# Altium PCB MB1936.PcbDoc (part 6 of 13) (continued)
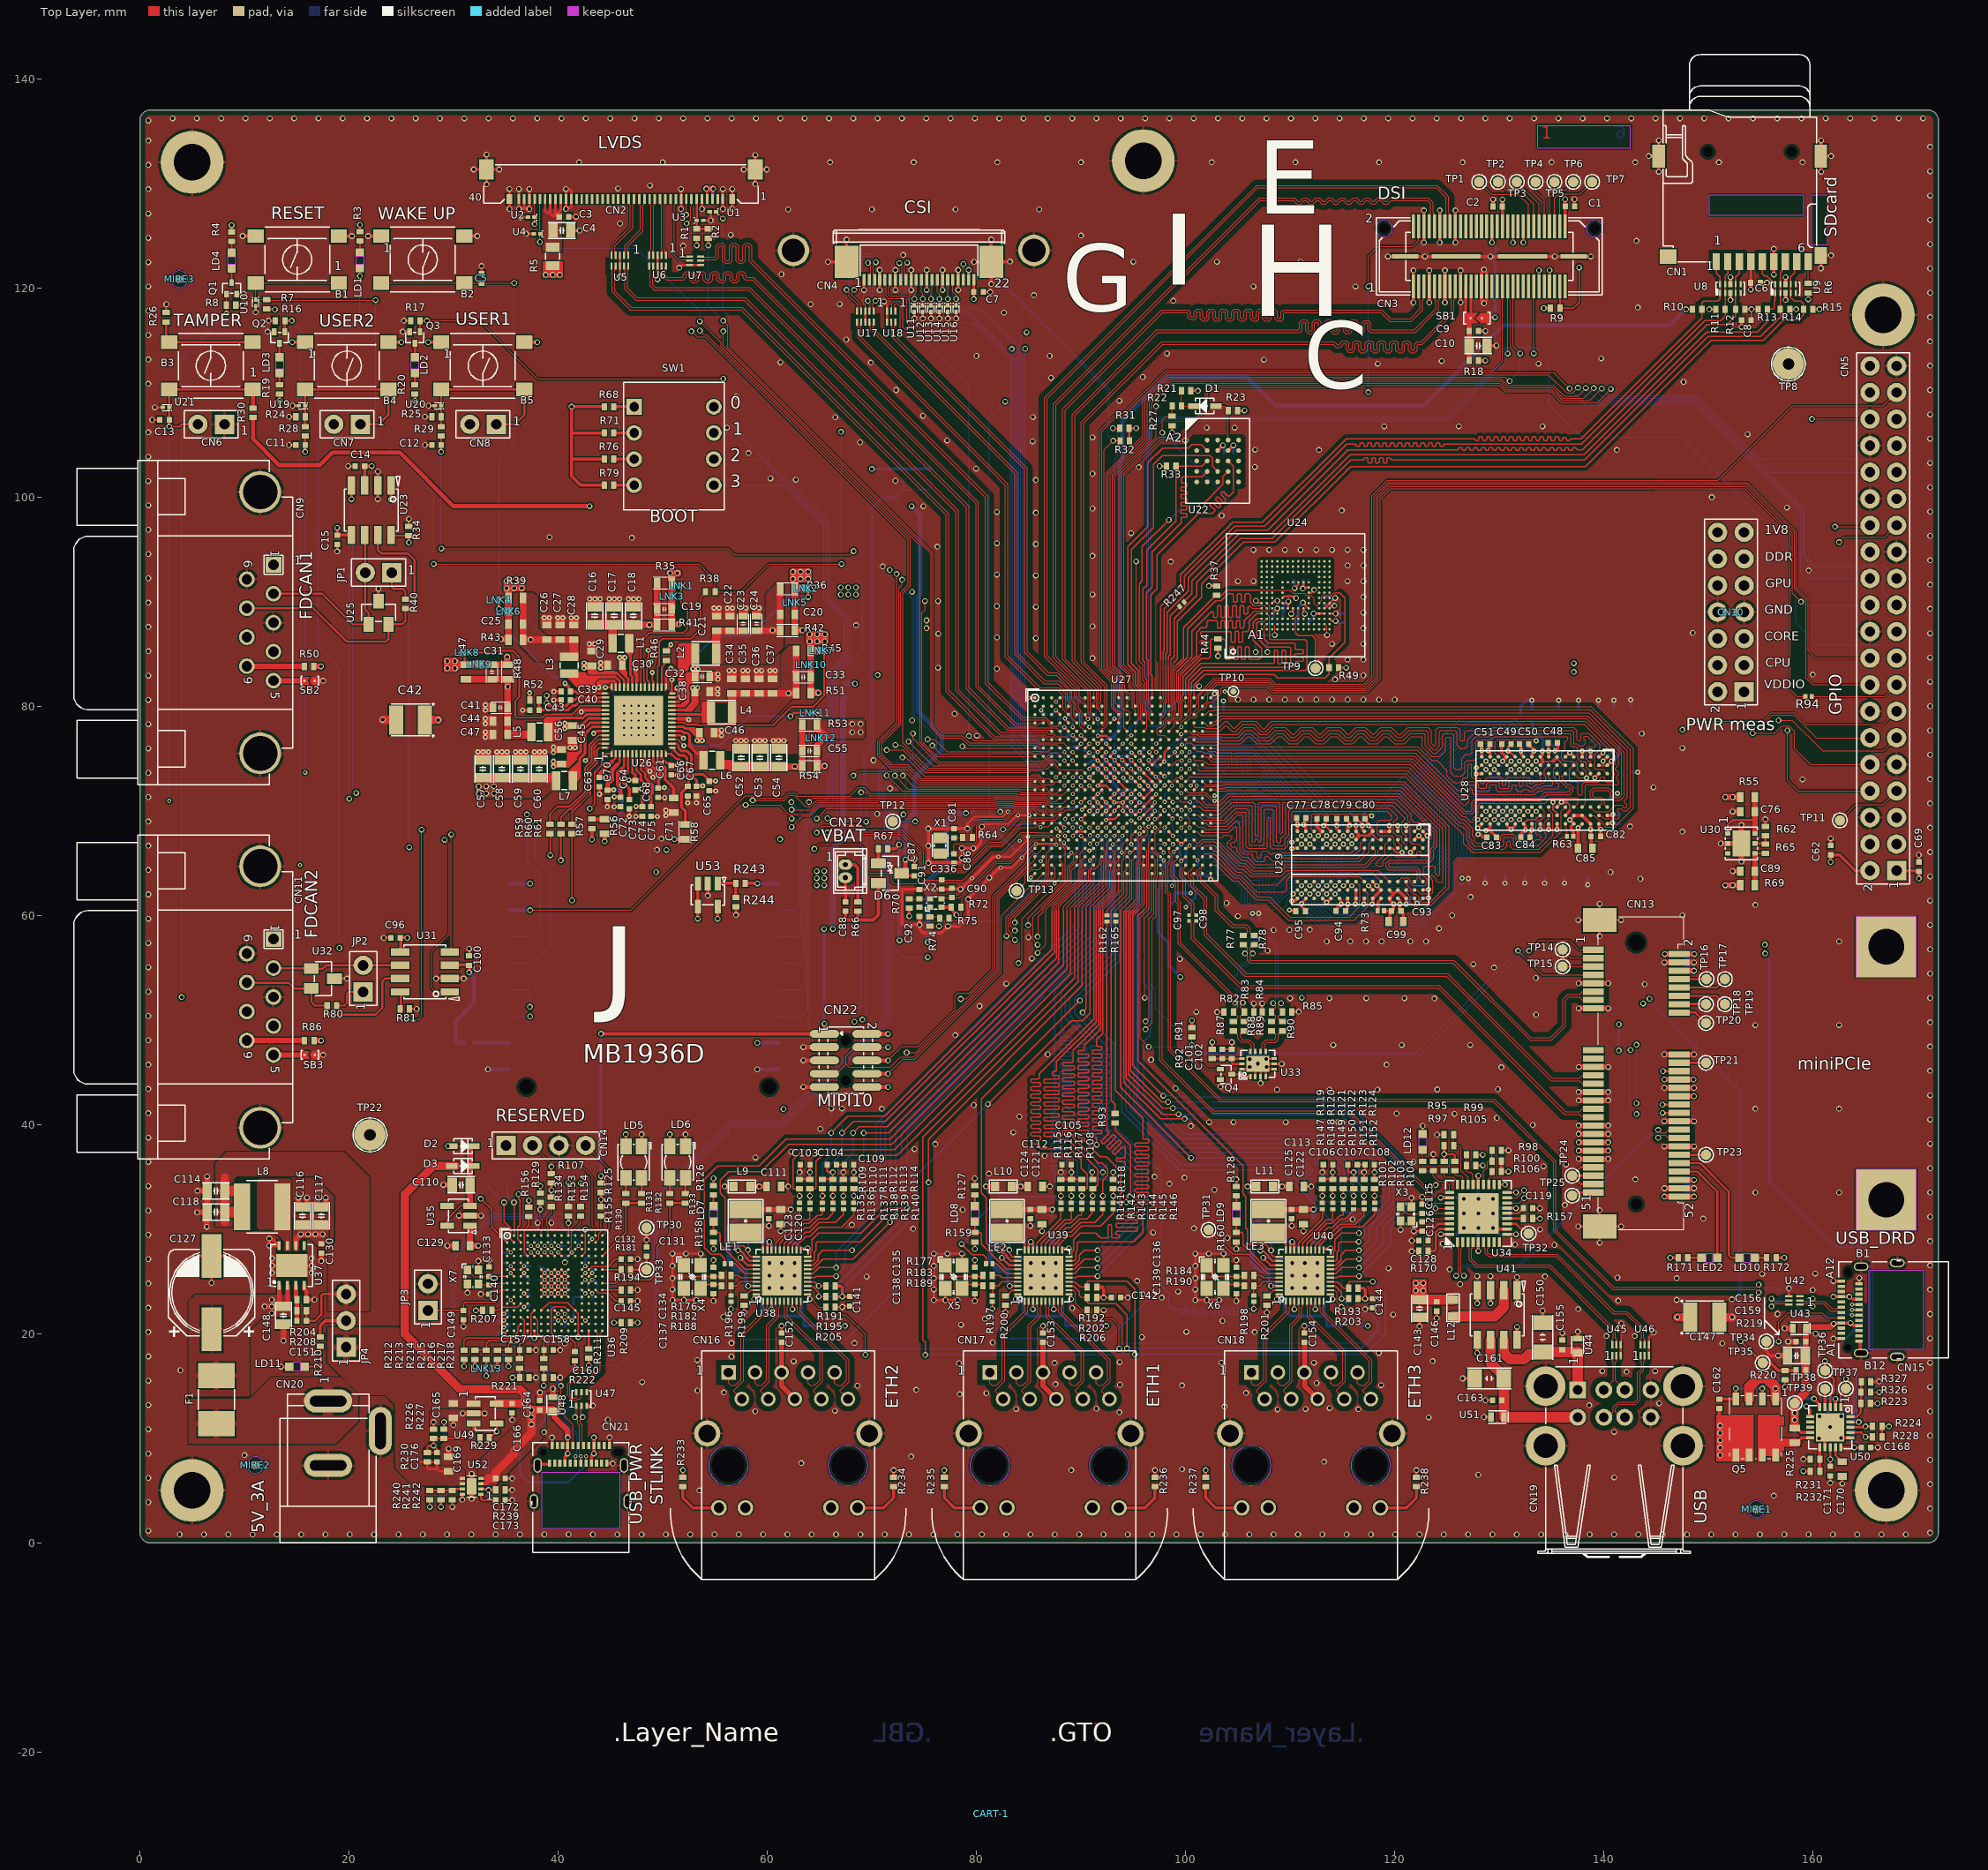
[diagram p0: Top Layer view]
## Nets (pads, with @x,y where several pads share a name; then routed paths per layer and width w, separated by ;. In a path a pad name is that pad's centre, name@x,y a point inside that pad or via, vN(x,y) a via of type N, cw(c..) or ccw(c..) an arc to the next point about the centre after c; other vN are vias at no path point) (continued)
eMMC.SDMMC2_D5: U24.B4 U27.D18 | length 25.1
  Top Layer w0.09: U27.D18@99.2,78.4 99.562,78.4 99.872,78.71 99.948,78.71 100.49,79.252 100.51,79.272 100.51,81.16 100.55,81.2 ; U24.B4@107.775,88.85 108.025,88.6 108.025,87.75 108.025,87.15
  Top Layer w0.11: 100.55,81.2 100.55,82.275 101.684,83.409 106.072,83.409 111.428,83.409 111.596,83.577 111.596,86.171 111.422,86.345 108.142,86.345 108.025,86.462 108.025,87.15
eMMC.SDMMC2_D6: U24.B5 U27.E16 | length 23.9
  Top Layer w0.09: U27.E16@97.6,77.6 98.09,78.09 98.09,78.375 98.095,78.38 98.095,78.526 98.274,78.705 98.563,78.705 98.895,79.037 98.895,79.345 99.045,79.495 99.045,80.305 98.965,80.385 98.965,83.463 99.385,83.883 ; 106.499,89.612 106.803,89.612 106.815,89.6 107.525,89.6 U24.B5@107.775,89.35
  Top Layer w0.11: 99.385,83.883 99.977,84.475 100.173,84.671 100.173,87.357 102.876,90.06 103.393,90.06 104.072,90.739 104.491,90.739 104.582,90.648 104.582,90.022 104.673,89.931 104.855,89.931 104.946,90.022 104.946,90.659 105.037,90.75 105.219,90.75 105.31,90.659 105.31,90.022 105.401,89.931 105.583,89.931 105.674,90.022 105.674,90.648 105.765,90.739 106.071,90.739 106.179,90.63 106.195,90.615 106.195,89.916 106.499,89.612
eMMC.SDMMC2_D7: U24.B6 U27.D17 | length 24
  Top Layer w0.09: U27.D17@98.4,78.4 98.44,78.44 98.552,78.44 98.997,78.885 99.431,78.885 99.515,78.969 99.515,80.345 99.335,80.525 99.335,83.11 100.7,84.475 ; 106.195,88.716 106.579,89.1 107.879,89.1 108.025,89.246 108.025,89.6 U24.B6@107.775,89.85
  Top Layer w0.11: 100.7,84.475 101.049,84.824 101.049,87.051 101.524,87.526 101.95,87.525 102.049,87.624 102.049,88.051 102.171,88.172 102.52,88.172 102.939,88.172 103.03,88.081 103.03,87.56 103.121,87.469 103.303,87.469 103.394,87.56 103.394,88.107 103.485,88.198 103.667,88.198 103.758,88.107 103.758,87.56 103.849,87.469 104.031,87.469 104.122,87.56 104.122,88.107 104.213,88.198 104.395,88.198 104.486,88.107 104.486,87.56 104.577,87.469 104.759,87.469 104.85,87.56 104.85,88.107 104.941,88.198 105.123,88.198 105.214,88.107 105.214,87.56 105.305,87.469 105.487,87.469 105.578,87.56 105.578,88.099 105.726,88.247 106.195,88.716
ETH1.CLK: R197.1 R198.1 U27.W10 | length 88.4
  Top Layer w0.09: 90.484,60.475 90.484,60.799 92.505,62.82 92.505,64.922 92.678,65.095 92.969,65.095 93.12,65.247 93.12,66.08 U27.W10@92.8,66.4
  Top Layer w0.11: v1(81.525,22.375) R197.1@81.525,23.05 ; v1(90.15,50.7) 90.484,51.034 90.484,60.475 ; v1(106.525,22.375) R198.1@106.525,23.05
  Bottom Layer w0.11: v1(81.525,22.375) 81.525,20.775 82.775,19.525 92.7,19.525 97.704,24.529 97.704,24.558 ; v1(90.15,50.7) 93.15,47.7 93.15,39.9 97.704,35.346 97.704,24.558 ; v1(106.525,22.375) 105.95,22.375 105.814,22.375 105.723,22.284 105.723,21.889 105.632,21.798 105.45,21.798 105.359,21.889 105.359,22.366 105.268,22.457 105.086,22.457 104.995,22.366 104.995,21.889 104.904,21.798 104.722,21.798 104.631,21.889 104.631,22.366 104.54,22.457 104.358,22.457 104.267,22.366 104.267,21.889 104.176,21.798 103.994,21.798 103.903,21.889 103.903,22.366 103.812,22.457 103.63,22.457 103.539,22.366 103.539,21.889 103.448,21.798 103.266,21.798 103.175,21.889 103.175,22.366 103.084,22.457 102.902,22.457 102.811,22.366 102.811,21.889 102.72,21.798 102.538,21.798 102.447,21.889 102.447,22.366 102.356,22.457 102.174,22.457 102.083,22.366 102.083,21.889 101.992,21.798 101.81,21.798 101.719,21.889 101.719,22.366 101.628,22.457 101.446,22.457 101.355,22.366 101.355,21.889 101.264,21.798 101.082,21.798 100.991,21.889 100.991,22.366 100.9,22.457 100.718,22.457 100.627,22.366 100.627,21.889 100.536,21.798 100.354,21.798 100.263,21.889 100.263,22.366 100.172,22.457 99.99,22.457 99.899,22.366 99.899,21.889 99.808,21.798 99.626,21.798 99.535,21.889 99.535,22.284 99.444,22.375 99.025,22.375 98.7,22.375 98.406,22.669 98.406,23.856 97.704,24.558
ETH1.CLK125: R93.1 U27.AB12 | length 23.7
  Top Layer w0.09: 92.9,60.475 94.4,61.975 U27.AB12@94.4,64
  Top Layer w0.11: 92.9,60.475 92.9,43.15 92.9,42.275 93.25,41.925 R93.1@93.25,41.05
ETH1.GTX_CLK: R162.1 U27.AA12 | length 5.6
  Top Layer w0.09: 92.475,60.475 94.105,62.105 94.105,64.122 94.4,64.417 U27.AA12@94.4,64.8
  Top Layer w0.11: R162.1@92.475,60 92.475,60.475
ETH1.MDC: R202.1 R203.1 U27.V12 U39.13 U40.13 | length 101.5
  Top Layer w0.09: v2(93.898,66.003) 93.93,66.035 93.93,66.75 94.38,67.2 U27.V12@94.4,67.2
  Top Layer w0.11: U39.13@88.85,24.55 89.312,24.55 89.85,24.012 89.85,23.675 90.075,23.45 R202.1@90.595,23.45 90.595,23.005 90.75,22.85 93.325,22.85 94.405,21.77 v1(94.405,18.585) ; U40.13@113.85,24.55 114.312,24.55 114.92,23.942 v1(114.92,23.35) R203.1@115.595,23.35
  Bottom Layer w0.11: v2(93.898,66.003) 93.898,60.475 93.898,41.202 99.435,35.665 109.081,35.665 114.92,29.826 v1(114.92,23.35) 116.35,21.92 117.652,21.92 118.51,21.062 118.51,20.288 116.807,18.585 v1(94.405,18.585)
ETH1.MDINT: R316.1 U27.U12 U39.31 | length 49.9
  Top Layer w0.09: v2(93.95,67.6) 94.35,68 U27.U12@94.4,68
  Top Layer w0.11: U39.31@83.95,27.35 83.45,27.35 83.176,27.624 83.176,27.974 82.737,28.413 81.169,28.413 80.955,28.627 80.955,32.975 80.485,33.445 80.485,42.435 v1(89.9,51.85)
  Bottom Layer w0.11: v1(83.15,28) R316.1@83.15,28.725 ; v1(89.9,51.85) 93.655,55.605 93.655,65.666 93.543,65.779 93.543,66.15 93.95,66.557 v2(93.95,67.6)
ETH1.MDIO: R192.1 R193.1 U27.V10 U39.14 U40.14 | length 125.4
  Top Layer w0.09: 89.73,60.475 89.73,60.789 92.145,63.204 92.145,65.071 92.505,65.431 92.505,65.722 92.505,66.905 U27.V10@92.8,67.2
  Top Layer w0.11: v1(75.1,17.954) 75.1,19.175 74.875,19.4 74.875,38.775 89.73,53.63 89.73,60.475 ; U39.14@88.85,24.95 89.42,24.95 89.92,24.45 R192.1@90.595,24.45 ; R192.1@90.595,24.55 90.595,24.926 90.674,25.005 94.39,25.005 95.15,24.245 v1(95.15,18) ; U40.14@113.85,24.95 114.52,24.95 115.12,24.35 R193.1@115.595,24.35 115.595,24.845 115.725,24.975 v1(117.9,24.975)
  Bottom Layer w0.11: v1(75.1,17.954) 75.123,17.977 95.127,17.977 v1(95.15,18) 117.125,18 119.125,20 119.125,23.75 v1(117.9,24.975)
ETH1.NRST: R206.1 U27.M1 U39.12 U40.12 | length 164.9
  Top Layer w0.09: 84.174,72.075 84.249,72
  Top Layer w0.1: v1(72.201,73.35) 73.476,72.075 84.174,72.075 ; 84.249,72 U27.M1@85.6,72 ; U39.12@88.85,24.15 89.275,24.15 89.48,23.945 89.48,22.89 90.12,22.25 R206.1@90.595,22.25 90.595,21.63 90.775,21.45 92.95,21.45 93.655,20.745 v1(93.655,18.575) ; U40.12@113.85,24.15 114.275,24.15 114.48,23.945 114.48,22.99 v1(114.92,22.55)
  Bottom Layer w0.1: v1(72.201,73.35) 71.191,72.341 71.191,71.157 71.462,70.887 71.87,70.479 71.87,50.046 61.599,39.775 56.722,39.775 49.625,32.678 49.625,22.597 51.594,20.628 53.647,18.575 v1(93.655,18.575) 94.18,19.1 117.025,19.1 118.3,20.375 118.3,20.975 117.565,21.71 115.76,21.71 v1(114.92,22.55)
ETH1.RX_CLK: R115.1 R141.1 R302.2 U27.U10 | length 58.4
  Top Layer w0.1: v2(92.4,67.6) U27.U10@92.8,68
  Top Layer w0.11: R141.1@88.075,32.5 v1(88.075,33.175) R115.1@88.075,33.85
  Bottom Layer w0.11: v1(88.075,33.175) R302.2@88.075,33.85 87.614,33.85 87.55,33.914 87.55,34.3 87.5,34.35 87.5,35.57 87.5,35.625 87.409,35.716 87.234,35.716 87.143,35.807 87.143,35.989 87.234,36.08 88.514,36.08 88.605,36.171 88.605,36.353 88.514,36.444 87.234,36.444 87.143,36.535 87.143,36.717 87.234,36.808 88.514,36.808 88.605,36.899 88.605,37.081 88.514,37.172 87.234,37.172 87.143,37.263 87.143,37.445 87.234,37.536 88.514,37.536 88.605,37.627 88.605,37.809 88.514,37.9 87.234,37.9 87.143,37.991 87.143,38.173 87.234,38.264 88.514,38.264 88.605,38.355 88.605,38.537 88.514,38.628 87.234,38.628 87.143,38.719 87.143,38.901 87.234,38.992 88.514,38.992 88.605,39.083 88.605,39.265 88.514,39.356 87.234,39.356 87.143,39.447 87.143,39.629 87.234,39.72 88.514,39.72 88.605,39.811 88.605,39.993 88.514,40.084 87.234,40.084 87.143,40.175 87.143,40.357 87.234,40.448 88.514,40.448 88.605,40.539 88.605,40.721 88.514,40.812 87.234,40.812 87.143,40.903 87.143,41.085 87.234,41.176 87.409,41.176 87.5,41.267 87.5,41.5 87.5,52.725 92.08,57.305 92.08,64.223 92.4,64.542 v2(92.4,67.6)
ETH1.RX_CTL: R116.1 R142.1 R301.2 U27.W12 | length 56.3
  Top Layer w0.09: 92.059,60.475 92.059,60.559 93.925,62.425 93.925,65.173 94.105,65.353 94.105,65.722 94.25,65.868 94.25,66.239 94.4,66.389 U27.W12@94.4,66.4
  Top Layer w0.11: R142.1@89.075,32.5 R116.1@89.075,33.85 ; v1(91.5,38.075) 91.5,38.591 91.5,38.646 91.409,38.737 91.201,38.737 91.11,38.828 91.11,39.01 91.201,39.101 91.918,39.101 92.009,39.192 92.009,39.374 91.918,39.465 91.201,39.465 91.11,39.556 91.11,39.738 91.201,39.829 91.918,39.829 92.009,39.92 92.009,40.102 91.918,40.193 91.201,40.193 91.11,40.284 91.11,40.466 91.201,40.557 91.918,40.557 92.009,40.648 92.009,40.83 91.918,40.921 91.201,40.921 91.11,41.012 91.11,41.194 91.201,41.285 91.918,41.285 92.009,41.376 92.009,41.558 91.918,41.649 91.201,41.649 91.11,41.74 91.11,41.922 91.201,42.013 91.918,42.013 92.009,42.104 92.009,42.286 91.918,42.377 91.201,42.377 91.11,42.468 91.11,42.65 91.201,42.741 91.918,42.741 92.009,42.832 92.009,43.014 91.918,43.105 91.201,43.105 91.11,43.196 91.11,43.378 91.201,43.469 91.918,43.469 92.009,43.56 92.009,43.742 91.918,43.833 91.201,43.833 91.11,43.924 91.11,44.106 91.201,44.197 91.918,44.197 92.009,44.288 92.009,44.47 91.918,44.561 91.201,44.561 91.11,44.652 91.11,44.834 91.201,44.925 91.918,44.925 92.009,45.016 92.009,45.198 91.918,45.289 91.201,45.289 91.11,45.38 91.11,45.562 91.201,45.653 91.918,45.653 92.009,45.744 92.009,45.926 91.918,46.017 91.201,46.017 91.11,46.108 91.11,46.29 91.201,46.381 91.918,46.381 92.009,46.472 92.009,46.654 91.918,46.745 91.201,46.745 91.11,46.836 91.11,47.018 91.201,47.109 91.918,47.109 92.009,47.2 92.009,47.382 91.918,47.473 91.591,47.473 91.5,47.564 91.5,47.7 91.5,48.125 92.059,48.684 92.059,60.475
  Bottom Layer w0.11: v1(89.075,33.175) R301.2@89.075,33.85 89.561,33.85 89.625,33.914 89.625,36.7 91,38.075 v1(91.5,38.075)
ETH1.RXD0: R117.1 R143.1 R296.2 U27.W11 | length 56.3
  Top Layer w0.09: 91.219,60.475 91.219,60.751 92.945,62.477 92.945,64.271 93.125,64.451 93.125,64.997 93.3,65.172 93.3,66.1 U27.W11@93.6,66.4
  Top Layer w0.11: R143.1@90.075,32.5 v1(90.075,33.175) R117.1@90.075,33.85 90.536,33.85 90.6,33.914 90.6,35.225 90,35.825 90,36.65 88.975,37.675 86.15,37.675 85.987,37.838 85.987,38.014 85.987,38.069 85.897,38.16 85.308,38.16 85.217,38.251 85.217,38.433 85.308,38.524 86.056,38.524 86.147,38.615 86.147,38.797 86.056,38.888 85.308,38.888 85.217,38.979 85.217,39.161 85.308,39.252 86.056,39.252 86.147,39.343 86.147,39.525 86.056,39.616 85.308,39.616 85.217,39.707 85.217,39.889 85.308,39.98 86.056,39.98 86.147,40.071 86.147,40.253 86.056,40.344 85.308,40.344 85.217,40.435 85.217,40.617 85.308,40.708 86.056,40.708 86.147,40.799 86.147,40.981 86.056,41.072 85.308,41.072 85.217,41.163 85.217,41.345 85.308,41.436 86.056,41.436 86.147,41.527 86.147,41.709 86.056,41.8 85.308,41.8 85.217,41.891 85.217,42.073 85.308,42.164 86.056,42.164 86.147,42.255 86.147,42.437 86.056,42.528 85.308,42.528 85.217,42.619 85.217,42.801 85.308,42.892 86.056,42.892 86.147,42.983 86.147,43.165 86.056,43.256 85.308,43.256 85.217,43.347 85.217,43.529 85.308,43.62 86.056,43.62 86.147,43.711 86.147,43.893 86.056,43.984 85.308,43.984 85.217,44.075 85.217,44.257 85.308,44.348 85.897,44.348 85.987,44.439 85.987,44.55 85.987,44.837 91.219,50.069 91.219,60.475
  Bottom Layer w0.11: v1(90.075,33.175) 90.075,33.775 R296.2@90.15,33.85
ETH1.RXD1: R108.1 R144.1 R295.2 U27.Y11 | length 60.2
  Top Layer w0.09: 91.429,60.475 91.429,60.707 93.125,62.403 93.125,64.197 93.305,64.377 93.305,64.922 93.6,65.217 U27.Y11@93.6,65.6
  Top Layer w0.11: R144.1@91.075,32.5 91.075,33.175 91.125,33.225 R108.1@91.125,33.85 91.22,33.85 91.63,34.26 91.63,35.685 88.765,38.55 87.975,38.55 87.8,38.725 87.654,38.871 86.573,38.871 86.482,38.962 86.482,39.144 86.573,39.235 87.804,39.235 87.895,39.326 87.895,39.508 87.804,39.599 86.573,39.599 86.482,39.69 86.482,39.872 86.573,39.963 87.804,39.963 87.895,40.054 87.895,40.236 87.804,40.327 86.573,40.327 86.482,40.418 86.482,40.6 86.573,40.691 87.804,40.691 87.895,40.782 87.895,40.964 87.804,41.055 86.573,41.055 86.482,41.146 86.482,41.328 86.573,41.419 87.804,41.419 87.895,41.51 87.895,41.692 87.804,41.783 86.573,41.783 86.482,41.874 86.482,42.056 86.573,42.147 87.804,42.147 87.895,42.238 87.895,42.42 87.804,42.511 86.573,42.511 86.482,42.602 86.482,42.784 86.573,42.875 87.804,42.875 87.895,42.966 87.895,43.148 87.804,43.239 86.573,43.239 86.482,43.33 86.482,43.512 86.573,43.603 87.804,43.603 87.895,43.694 87.895,43.876 87.804,43.967 86.573,43.967 86.482,44.058 86.482,44.24 86.573,44.331 87.804,44.331 87.895,44.422 87.895,44.604 87.804,44.695 87.355,44.695 87.264,44.786 87.264,44.968 87.355,45.059 87.572,45.059 87.663,45.15 87.663,45.375 87.663,46.038 91.429,49.804 91.429,60.475
  Bottom Layer w0.11: v1(91.125,33.175) R295.2@91.125,33.85
ETH1.RXD2: R145.1 R294.2 U27.AA11 | length 57.3
  Top Layer w0.09: 91.639,60.475 91.639,60.662 93.305,62.328 93.305,64.122 93.6,64.417 U27.AA11@93.6,64.8
  Top Layer w0.11: 91.639,60.475 91.639,49.489 89.25,47.1 89.25,46.8 89.25,46.046 89.159,45.955 88.328,45.955 88.237,45.864 88.237,45.682 88.328,45.591 89.304,45.591 89.395,45.5 89.395,45.318 89.304,45.227 88.328,45.227 88.237,45.136 88.237,44.954 88.328,44.863 89.304,44.863 89.395,44.772 89.395,44.59 89.304,44.499 88.328,44.499 88.237,44.408 88.237,44.226 88.328,44.135 89.304,44.135 89.395,44.044 89.395,43.862 89.304,43.771 88.328,43.771 88.237,43.68 88.237,43.498 88.328,43.407 89.304,43.407 89.395,43.316 89.395,43.134 89.304,43.043 88.328,43.043 88.237,42.952 88.237,42.77 88.328,42.679 89.304,42.679 89.395,42.588 89.395,42.406 89.304,42.315 88.328,42.315 88.237,42.224 88.237,42.042 88.328,41.951 89.304,41.951 89.395,41.86 89.395,41.678 89.304,41.587 88.328,41.587 88.237,41.496 88.237,41.314 88.328,41.223 89.304,41.223 89.395,41.132 89.395,40.95 89.304,40.859 88.328,40.859 88.237,40.768 88.237,40.586 88.328,40.495 89.304,40.495 89.395,40.404 89.395,40.222 89.304,40.131 88.328,40.131 88.237,40.04 88.237,39.858 88.328,39.767 89.304,39.767 89.395,39.676 89.395,39.494 89.304,39.403 88.328,39.403 88.237,39.312 88.237,39.13 88.328,39.039 89.159,39.039 89.25,38.948 89.25,38.893 89.25,38.75 91.675,36.325 92,36.325 92.55,35.775 92.55,35.128 92.075,34.653 92.075,33.175 R145.1@92.075,32.5
  Bottom Layer w0.11: v1(92.1,33.175) R294.2@92.1,33.85
ETH1.RXD3: R118.1 R146.1 R300.2 U27.AB11 | length 56.6
  Top Layer w0.09: 91.849,60.475 91.849,60.618 93.6,62.369 U27.AB11@93.6,64
  Top Layer w0.11: 91.849,60.475 91.849,49.099 90.3,47.55 90.3,47.3 90.3,47.191 90.209,47.1 89.82,47.1 89.729,47.009 89.729,46.827 89.82,46.736 90.643,46.736 90.734,46.645 90.734,46.463 90.643,46.372 89.82,46.372 89.729,46.281 89.729,46.099 89.82,46.008 90.643,46.008 90.734,45.917 90.734,45.735 90.643,45.644 89.82,45.644 89.729,45.553 89.729,45.371 89.82,45.28 90.643,45.28 90.734,45.189 90.734,45.007 90.643,44.916 89.82,44.916 89.729,44.825 89.729,44.643 89.82,44.552 90.643,44.552 90.734,44.461 90.734,44.279 90.643,44.188 89.82,44.188 89.729,44.097 89.729,43.915 89.82,43.824 90.643,43.824 90.734,43.733 90.734,43.551 90.643,43.46 89.82,43.46 89.729,43.369 89.729,43.187 89.82,43.096 90.643,43.096 90.734,43.005 90.734,42.823 90.643,42.732 89.82,42.732 89.729,42.641 89.729,42.459 89.82,42.368 90.643,42.368 90.734,42.277 90.734,42.095 90.643,42.004 89.82,42.004 89.729,41.913 89.729,41.731 89.82,41.64 90.643,41.64 90.734,41.549 90.734,41.367 90.643,41.276 89.82,41.276 89.729,41.185 89.729,41.003 89.82,40.912 90.643,40.912 90.734,40.821 90.734,40.639 90.643,40.548 89.82,40.548 89.729,40.457 89.729,40.275 89.82,40.184 90.643,40.184 90.734,40.093 90.734,39.911 90.643,39.82 89.82,39.82 89.729,39.729 89.729,39.547 89.82,39.456 90.643,39.456 90.734,39.365 90.734,39.183 90.643,39.092 89.82,39.092 89.729,39.001 89.729,38.819 89.82,38.728 90.209,38.728 90.3,38.637 90.3,38.582 90.3,38.425 91.825,36.9 92.4,36.9 93.825,35.475 93.825,34.095 93.58,33.85 R118.1@93.075,33.85 v1(93.075,33.175) R146.1@93.075,32.5
  Bottom Layer w0.11: v1(93.075,33.175) R300.2@93.075,33.85
ETH1.TX_CTL: R165.1 U27.Y12 | length 6.3
  Top Layer w0.09: 93.319,60.475 94.695,61.851 94.695,65.305 U27.Y12@94.4,65.6
  Top Layer w0.11: R165.1@93.319,60 93.319,60.475
ETH1.TXD0: R168.1 U27.T10 | length 15.6
  Top Layer w0.1: v2(92.4,68.4) U27.T10@92.8,68.8
  Bottom Layer w0.11: R168.1@90.137,54.712 92.61,57.185 92.61,67.163 92.845,67.398 92.845,67.955 92.745,68.055 v2(92.4,68.4)
ETH1.TXD1: R174.1 U27.V11 | length 12.7
  Top Layer w0.09: v2(93.05,66.775) 93.294,67.019 93.364,67.019 93.545,67.2 U27.V11@93.6,67.2
  Bottom Layer w0.11: R174.1@91.512,55.437 92.82,56.745 92.82,66.545 v2(93.05,66.775)
ETH1.TXD2: R179.1 U27.U11 | length 15.3
  Top Layer w0.1: v2(93.2,67.6) U27.U11@93.6,68
  Bottom Layer w0.11: R179.1@90.787,54.062 93.03,56.305 93.03,66.21 93.475,66.655 93.475,67.048 93.21,67.313 93.21,67.59 v2(93.2,67.6)
ETH1.TXD3: R186.1 U27.T11 | length 15.1
  Top Layer w0.1: v2(93.2,68.4) U27.T11@93.6,68.8
  Bottom Layer w0.11: R186.1@92.162,54.787 93.24,55.865 93.24,66.13 93.75,66.64 93.75,67.298 93.595,67.453 93.595,68.005 v2(93.2,68.4)
ETH1i.CLK125: R93.2 R177.1 | length 30.1
  Top Layer w0.11: v1(78.575,28.575) 79.6,27.55 80.625,27.55 80.925,27.25 R177.1@80.925,26.7 ; R93.2@93.25,40.15 93.25,39.45 94.725,37.975 94.725,33.525 94.35,33.15 v1(94.35,32.575)
  Bottom Layer w0.11: v1(78.575,28.575) 79.925,29.925 79.925,30.72 82.305,33.1 87.35,33.1 87.875,32.575 v1(94.35,32.575)
ETH2.CLK: R196.1 U27.Y10 | length 70.4
  Top Layer w0.09: 90.116,60.475 90.116,60.768 92.325,62.976 92.325,64.997 92.603,65.275 92.744,65.275 92.8,65.331 U27.Y10@92.8,65.6
  Top Layer w0.11: v1(56.525,22.375) R196.1@56.525,23.05 ; v1(75.425,34.45) 75.425,38.575 90.116,53.266 90.116,60.475
  Bottom Layer w0.11: v1(56.525,22.375) 56.525,20.925 58,19.45 67.525,19.45 75.425,27.35 v1(75.425,34.45)
ETH2.CLK125: R176.1 U27.AA8 | length 63
  Top Layer w0.09: 88.326,60.475 88.326,60.855 90.716,63.245 90.716,64.316 U27.AA8@91.2,64.8
  Top Layer w0.11: R176.1@55.925,26.7 55.925,27.15 55.5,27.575 54.625,27.575 53.975,28.225 53.975,34.75 55.25,36.025 59.2,36.025 61.8,38.625 71.738,38.625 88.326,55.213 88.326,60.475
ETH2.GTX_CLK: R161.1 U27.T9 | length 18.7
  Top Layer w0.1: v2(91.6,68.4) U27.T9@92,68.8
  Bottom Layer w0.11: R161.1@86.912,52.687 91.688,57.463 91.688,64.313 92.175,64.801 92.175,67.175 91.955,67.395 91.955,68.045 v2(91.6,68.4)
ETH2.MDC: R195.1 U27.AA10 U38.13 | length 56.7
  Top Layer w0.09: 90.87,60.475 90.87,60.765 92.765,62.66 92.765,64.346 92.825,64.406 92.825,64.775 U27.AA10@92.8,64.8
  Top Layer w0.11: U38.13@63.85,24.55 64.312,24.55 64.92,23.942 v1(64.92,23.55) R195.1@65.595,23.55 ; v1(81.1,41.95) 89.075,49.925 90.15,49.925 90.87,50.645 90.87,60.475
  Bottom Layer w0.11: v1(64.92,23.55) 66.45,23.55 74,31.1 74,34.85 v1(81.1,41.95)
ETH2.MDINT: R318.1 U27.Y9 U38.31 | length 64.5
  Top Layer w0.09: 88.673,60.475 88.673,60.8 90.896,63.022 90.896,64.241 91.13,64.475 91.36,64.475 91.785,64.9 91.785,65.385 U27.Y9@92,65.6
  Top Layer w0.11: U38.31@58.95,27.35 58.45,27.35 58.176,27.624 58.176,27.974 v1(58.15,28) 57.745,28.405 56.177,28.405 55.955,28.627 55.955,32.975 55.485,33.445 55.485,34.675 56.285,35.475 59.4,35.475 62.025,38.1 71.913,38.1 88.673,54.86 88.673,60.475
  Bottom Layer w0.11: v1(58.15,28) R318.1@58.15,28.725
ETH2.MDIO: R191.1 U27.U9 U38.14 | length 57.8
  Top Layer w0.1: v2(91.6,67.6) U27.U9@92,68
  Top Layer w0.11: U38.14@63.85,24.95 64.52,24.95 v1(64.92,24.55) R191.1@65.595,24.55
  Bottom Layer w0.11: v1(64.92,24.55) 66.55,24.55 72.825,30.825 72.825,39.25 91.266,57.691 91.266,64.36 91.95,65.044 91.95,66.925 91.755,67.12 91.755,67.39 91.6,67.545 v2(91.6,67.6)
ETH2.NRST: R205.1 U27.H2 U38.12 | length 112.3
  Top Layer w0.09: 81.172,75.439 81.234,75.439 81.254,75.459 ; 82.885,75.459 82.895,75.469 82.912,75.469 ; 86.115,75.475 86.125,75.475 U27.H2@86.4,75.2
  Top Layer w0.1: U38.12@63.85,24.15 64.275,24.15 64.48,23.945 64.48,23.02 64.95,22.55 65.575,22.55 R205.1@65.595,22.55 65.595,22.03 65.8,21.825 67.5,21.825 69.375,19.95 v1(69.375,17.975) ; v1(75.775,76.225) 76.561,75.439 81.172,75.439 ; 81.254,75.459 82.885,75.459 ; 82.912,75.469 85.459,75.469 85.48,75.49 85.79,75.49 85.805,75.475 86.115,75.475
  Bottom Layer w0.1: v1(69.375,17.975) 69.025,18.325 53.6,18.325 49.415,22.51 49.415,32.415 49.425,32.425 49.425,32.761 56.639,39.975 61.502,39.975 71.66,50.133 71.66,70.123 71.65,70.133 71.65,70.416 70.991,71.075 70.991,73.553 71.613,74.175 73.725,74.175 v1(75.775,76.225)
ETH2.RX_CLK: R109.1 R135.1 R305.2 U27.AB8 | length 49.8
  Top Layer w0.09: 88.981,60.475 88.981,60.73 91.2,62.95 U27.AB8@91.2,64
  Top Layer w0.11: R135.1@63.075,32.5 v1(63.075,33.175) R109.1@63.075,33.85 62.45,33.85 62.45,36.6 63.45,37.6 72.175,37.6 88.981,54.406 88.981,60.475
  Bottom Layer w0.11: v1(63.075,33.175) R305.2@63.075,33.85
ETH2.RX_CTL: R110.1 R136.1 R304.2 U27.W9 | length 50.9
  Top Layer w0.09: 89.364,60.475 89.364,60.747 91.965,63.348 91.965,65.146 92.325,65.506 92.325,65.95 92.325,66.075 U27.W9@92,66.4
  Top Layer w0.11: R136.1@64.075,32.5 v1(64.075,33.175) R110.1@64.075,33.85 64.525,33.85 64.675,34 64.675,36.5 65.225,37.05 72.425,37.05 89.364,53.989 89.364,60.475
  Bottom Layer w0.11: v1(64.075,33.175) R304.2@64.075,33.85
ETH2.RXD0: R111.1 R137.1 R293.2 U27.W7 | length 47.8
  Top Layer w0.09: 87.214,60.475 87.214,60.921 89.745,63.452 89.745,64.271 89.925,64.451 89.925,65.925 U27.W7@90.4,66.4
  Top Layer w0.11: R137.1@65.275,32.5 v1(65.275,33.175) R111.1@65.275,33.85 ; v1(66.1,39.2) 67.7,40.8 71.25,40.8 87.214,56.764 87.214,60.475
  Bottom Layer w0.11: v1(65.275,33.175) 65.275,36.25 66.1,37.075 v1(66.1,39.2) 66.1,39.925 R293.2@66.125,39.95
ETH2.RXD1: R112.1 R138.1 R292.2 U27.Y7 | length 46.7
  Top Layer w0.09: 87.424,60.475 87.424,60.877 89.925,63.377 89.925,64.197 90.105,64.377 90.105,65.305 U27.Y7@90.4,65.6
  Top Layer w0.11: R138.1@66.275,32.5 v1(66.275,33.175) R112.1@66.275,33.85 ; v1(67.15,39.2) 68.225,40.275 71.3,40.275 87.424,56.399 87.424,60.475
  Bottom Layer w0.11: v1(66.275,33.175) 66.275,34.075 65.825,34.525 65.825,35.925 67.15,37.25 v1(67.15,39.2) R292.2@67.15,39.95
ETH2.RXD2: R113.2 R139.1 U27.AA7 | length 44.6
  Top Layer w0.09: 87.634,60.475 87.634,60.832 90.105,63.303 90.105,64.122 90.4,64.417 U27.AA7@90.4,64.8
  Top Layer w0.11: R139.1@67.275,32.5 v1(67.275,33.175) R113.2@67.275,33.85 ; v1(68.2,39.2) 68.775,39.775 71.505,39.775 87.634,55.905 87.634,60.475
  Bottom Layer w0.11: v1(67.275,33.175) 67.275,34.075 66.775,34.575 66.775,35.85 68.2,37.275 v1(68.2,39.2)
ETH2.RXD3: R114.1 R140.1 R303.2 U27.AB7 | length 43.1
  Top Layer w0.09: 87.87,60.475 87.87,60.813 90.4,63.343 U27.AB7@90.4,64
  Top Layer w0.11: R140.1@68.275,32.5 v1(68.275,33.175) R114.1@68.275,33.85 ; v1(69.225,39.2) 71.611,39.2 87.87,55.458 87.87,60.475
  Bottom Layer w0.11: v1(68.275,33.175) R303.2@68.275,33.85 68.925,33.85 69.225,34.15 v1(69.225,39.2)
ETH2.TX_CTL: R164.1 U27.V9 | length 16.3
  Top Layer w0.09: v2(91.525,66.825) 91.575,66.825 91.95,67.2 U27.V9@92,67.2
  Bottom Layer w0.11: R164.1@86.262,53.337 90.898,57.973 90.898,64.513 91.401,65.016 91.401,66.426 91.47,66.496 91.47,66.77 v2(91.525,66.825)
ETH2.TXD0: R167.1 U27.Y8 | length 11
  Top Layer w0.09: v2@90.865,65.226 v2(90.846,65.245) U27.Y8@91.2,65.6
  Bottom Layer w0.11: R167.1@87.712,56.087 90.175,58.55 90.175,64.575 v2(90.846,65.245)
ETH2.TXD1: R173.1 U27.V8 | length 14.5
  Top Layer w0.09: v2(90.846,66.845) U27.V8@91.2,67.2
  Bottom Layer w0.11: R173.1@86.987,54.712 90.525,58.25 90.525,64.423 91.201,65.098 91.201,66.49 v2(90.846,66.845)
ETH2.TXD2: R178.1 U27.U8 | length 13
  Top Layer w0.09: v2(90.846,67.645) U27.U8@91.2,68
  Bottom Layer w0.11: R178.1@87.062,56.737 89.425,59.1 89.425,64.495 90.233,65.303 90.233,67.018 90.423,67.208 90.423,67.223 v2(90.846,67.645)
ETH2.TXD3: R185.1 U27.T8 | length 16
  Top Layer w0.1: v2(90.8,68.4) U27.T8@91.2,68.8
  Bottom Layer w0.11: R185.1@86.337,55.362 89.8,58.825 89.8,64.587 90.433,65.22 90.433,66.935 90.748,67.25 91.075,67.25 91.245,67.42 91.245,67.955 v2(90.8,68.4)
ETH3.GTX_CLK: R163.1 U27.V13 | length 12.3
  Top Layer w0.09: U27.V13@95.2,67.2 95.541,67.541 95.541,67.734 v2(95.6,67.793)
  Bottom Layer w0.11: v2(95.6,67.793) 95.6,67.709 95.8,67.509 95.8,65.939 95.975,65.765 R163.1@95.975,56.4
ETH3.MDINT: R314.1 U27.V15 U40.31 | length 48
  Top Layer w0.09: 95.975,60.475 96.315,60.815 96.315,64.385 96.475,64.545 96.475,66.875 U27.V15@96.8,67.2
  Top Layer w0.11: 95.975,60.475 95.45,59.95 95.45,46.072 105.485,36.037 105.485,33.365 105.75,33.1 105.75,30.103 105.911,29.943 105.911,28.672 106.072,28.511 107.639,28.511 v1(108.176,27.974) 108.176,27.624 108.45,27.35 U40.31@108.95,27.35
  Bottom Layer w0.11: R314.1@108.15,28.725 108.176,28.699 v1(108.176,27.974)
ETH3.RX_CLK: R119.1 R147.1 R299.2 U27.Y13 | length 56.1
  Top Layer w0.09: 93.758,60.475 94.875,61.593 94.875,65.275 U27.Y13@95.2,65.6
  Top Layer w0.11: 93.758,60.475 93.758,43.567 v1(100.525,36.8) ; R147.1@113.075,32.5 R119.1@113.075,33.85
  Bottom Layer w0.11: v1(100.525,36.8) 110.22,36.8 110.422,36.597 110.461,36.558 110.59,36.558 110.926,36.894 111.054,36.894 111.183,36.765 111.183,36.637 110.315,35.769 110.315,35.64 110.444,35.511 110.572,35.511 111.44,36.379 111.569,36.379 111.698,36.251 111.698,36.122 110.83,35.254 110.83,35.125 110.959,34.997 111.087,34.997 111.955,35.865 112.084,35.865 112.213,35.736 112.213,35.607 111.345,34.739 111.345,34.611 111.473,34.482 111.602,34.482 112.005,34.885 112.134,34.885 112.281,34.739 112.32,34.7 112.445,34.575 112.445,33.929 112.524,33.85 R299.2@113.075,33.85 v1(113.075,33.175)
ETH3.RX_CTL: R120.1 R148.1 R298.2 U27.W13 | length 54.3
  Top Layer w0.11: v2(94.65,66) 94.606,66 94.662,66.055 94.855,66.055 U27.W13@95.2,66.4 ; R148.1@114.075,32.5 R120.1@114.075,33.85
  Bottom Layer w0.11: v2(94.65,66) 94.65,41.675 99,37.325 111.521,37.325 112.238,37.325 112.329,37.234 112.329,36.22 112.42,36.129 112.602,36.129 112.693,36.22 112.693,37.234 112.784,37.325 112.839,37.325 113.15,37.325 114.725,35.75 114.725,34 114.575,33.85 R298.2@114.075,33.85 v1(114.075,33.175)
ETH3.RXD0: R121.1 R149.1 R307.2 U27.T12 | length 54.2
  Top Layer w0.1: v2(94,68.4) U27.T12@94.4,68.8
  Top Layer w0.11: R149.1@115.075,32.5 v1(115.075,33.175) R121.1@115.075,33.85
  Bottom Layer w0.11: v2(94,68.4) 94.382,68.017 94.382,66.371 94.261,66.25 94.261,41.464 99.557,36.168 109.229,36.168 112.766,32.631 114.944,32.631 R307.2@115.01,32.565 ; R307.2@115.075,32.5 R307.2@115.01,32.565 ; v1(115.075,33.175) 115.075,32.631 R307.2@115.01,32.565
ETH3.RXD1: R122.1 R150.1 R306.2 U27.U13 | length 54.2
  Top Layer w0.11: v2(94.8,66.8) 94.8,67.602 95.198,68 U27.U13@95.2,68 ; R150.1@116.075,32.5 v1(116.075,33.175) R122.1@116.075,33.85
  Bottom Layer w0.11: v2(94.8,66.8) 94.8,66.752 95.025,66.527 95.025,60.475 95.025,41.9 99.15,37.775 113.475,37.775 115.159,36.091 115.159,34.091 v1(116.075,33.175) R306.2@116.075,32.5
ETH3.RXD2: R123.2 R151.1 U27.T13 | length 55.3
  Top Layer w0.11: v2(94.8,69.075) U27.T13@95.2,68.8 ; R151.1@117.075,32.5 v1(117.075,33.175) R123.2@117.075,33.85
  Bottom Layer w0.11: v2(94.8,69.075) 94.8,67.495 95.077,67.217 95.275,67.019 95.275,60.475 95.275,42.275 99.35,38.2 113.625,38.2 115.584,36.241 115.584,34.666 v1(117.075,33.175)
ETH3.RXD3: R124.1 R152.1 R297.2 U27.U14 | length 55.8
  Top Layer w0.09: U27.U14@96,68 U27.U14@96,68.025
  Top Layer w0.1: v2(95.6,68.4) U27.U14@96,68
  Top Layer w0.11: R152.1@118.075,32.5 v1(118.075,33.175) R124.1@118.075,33.85
  Bottom Layer w0.11: v2(95.6,68.4) 95.245,68.045 95.245,67.646 95.506,67.386 95.506,60.475 95.506,42.652 99.508,38.65 113.975,38.65 116.55,36.075 116.55,34.375 117.075,33.85 R297.2@118.075,33.85 v1(118.075,33.175)
ETH3.TX_CTL: R166.1 U27.T14 | length 35.7
  Top Layer w0.09: 94.25,60.475 95.275,61.5 95.275,65 95.495,65.22 95.495,66.775 95.495,67.2 95.858,67.563 96.163,67.563 96.4,67.8 96.4,68.048 96,68.448 U27.T14@96,68.8
  Top Layer w0.11: 94.25,60.475 94.125,60.35 94.125,44 97.598,40.527 v1(99.915,40.527)
  Bottom Layer w0.11: v1(99.915,40.527) 100.973,40.527 101.9,39.6 R166.1@101.9,39.55